# Altium PCB PCB.PcbDoc (part 1 of 2)
Units mm, origin at the board's own origin, x right, y up, seen from the top; angles counter-clockwise.
Board outline 50.2 x 86 mm, 6 copper layers (L1_Top (Sig), L2 (GND), L3 (Power), L4 (Sig), L5 (GND), L6_Bottom (Sig)), stack 1.538 mm thick; 115 components, 84 nets, 473 pads, 257 vias.
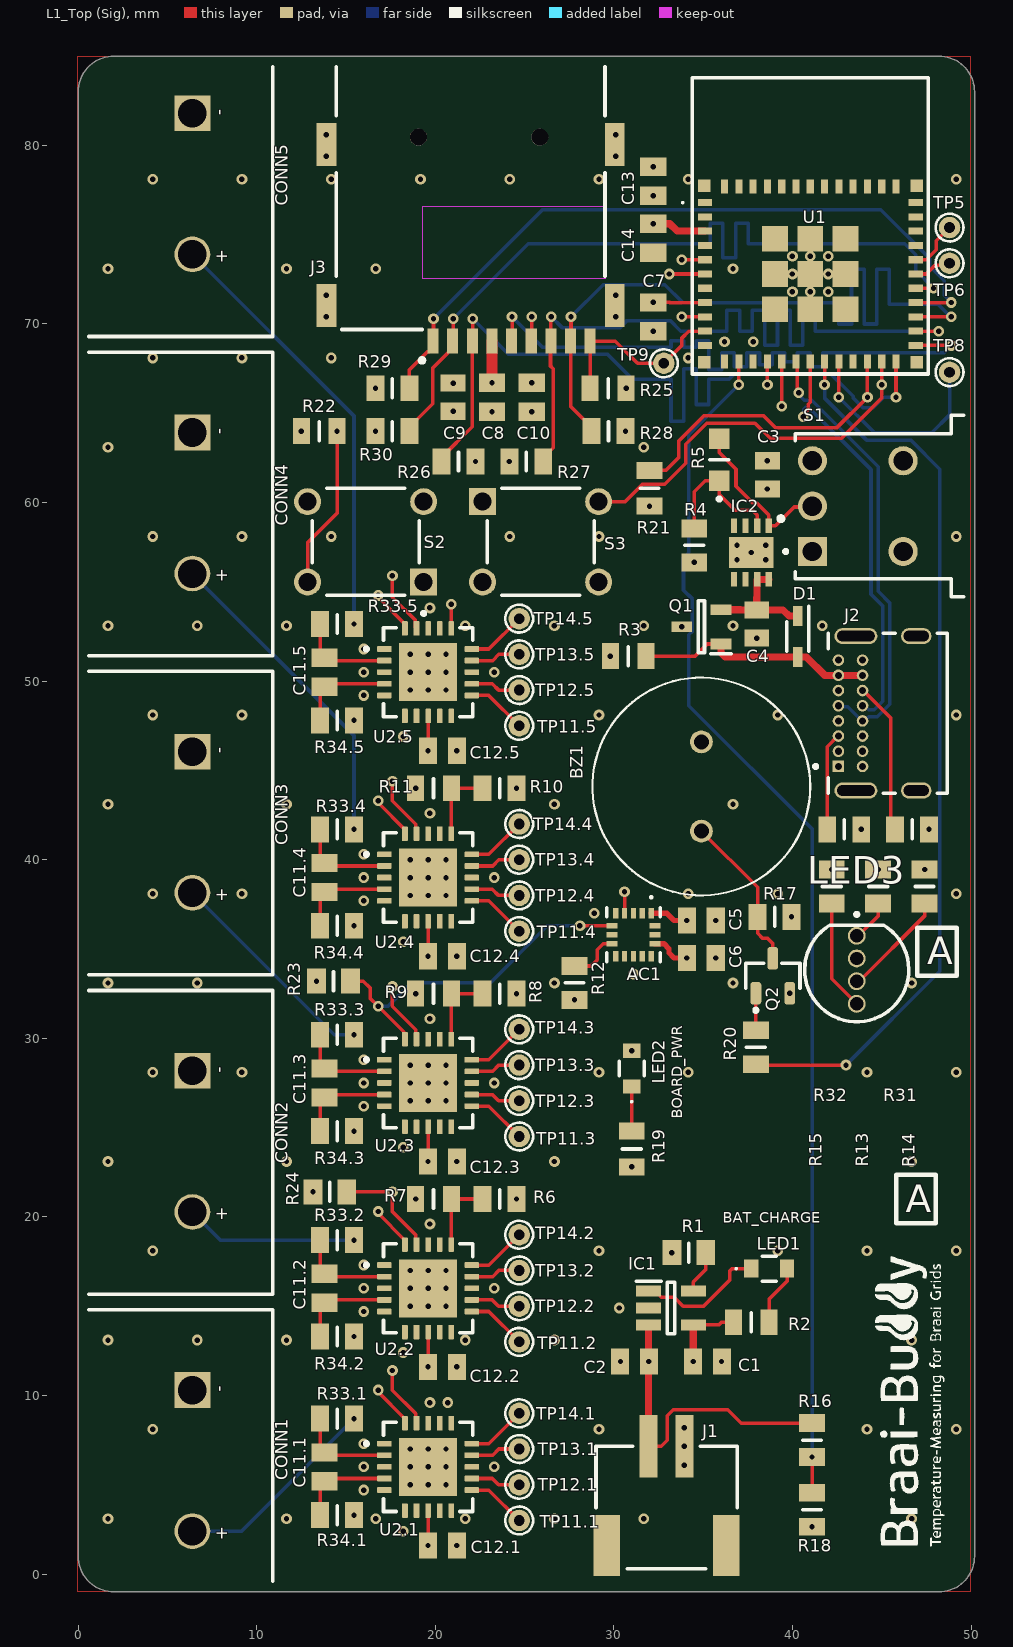
[diagram p0: L1_Top (Sig) view]
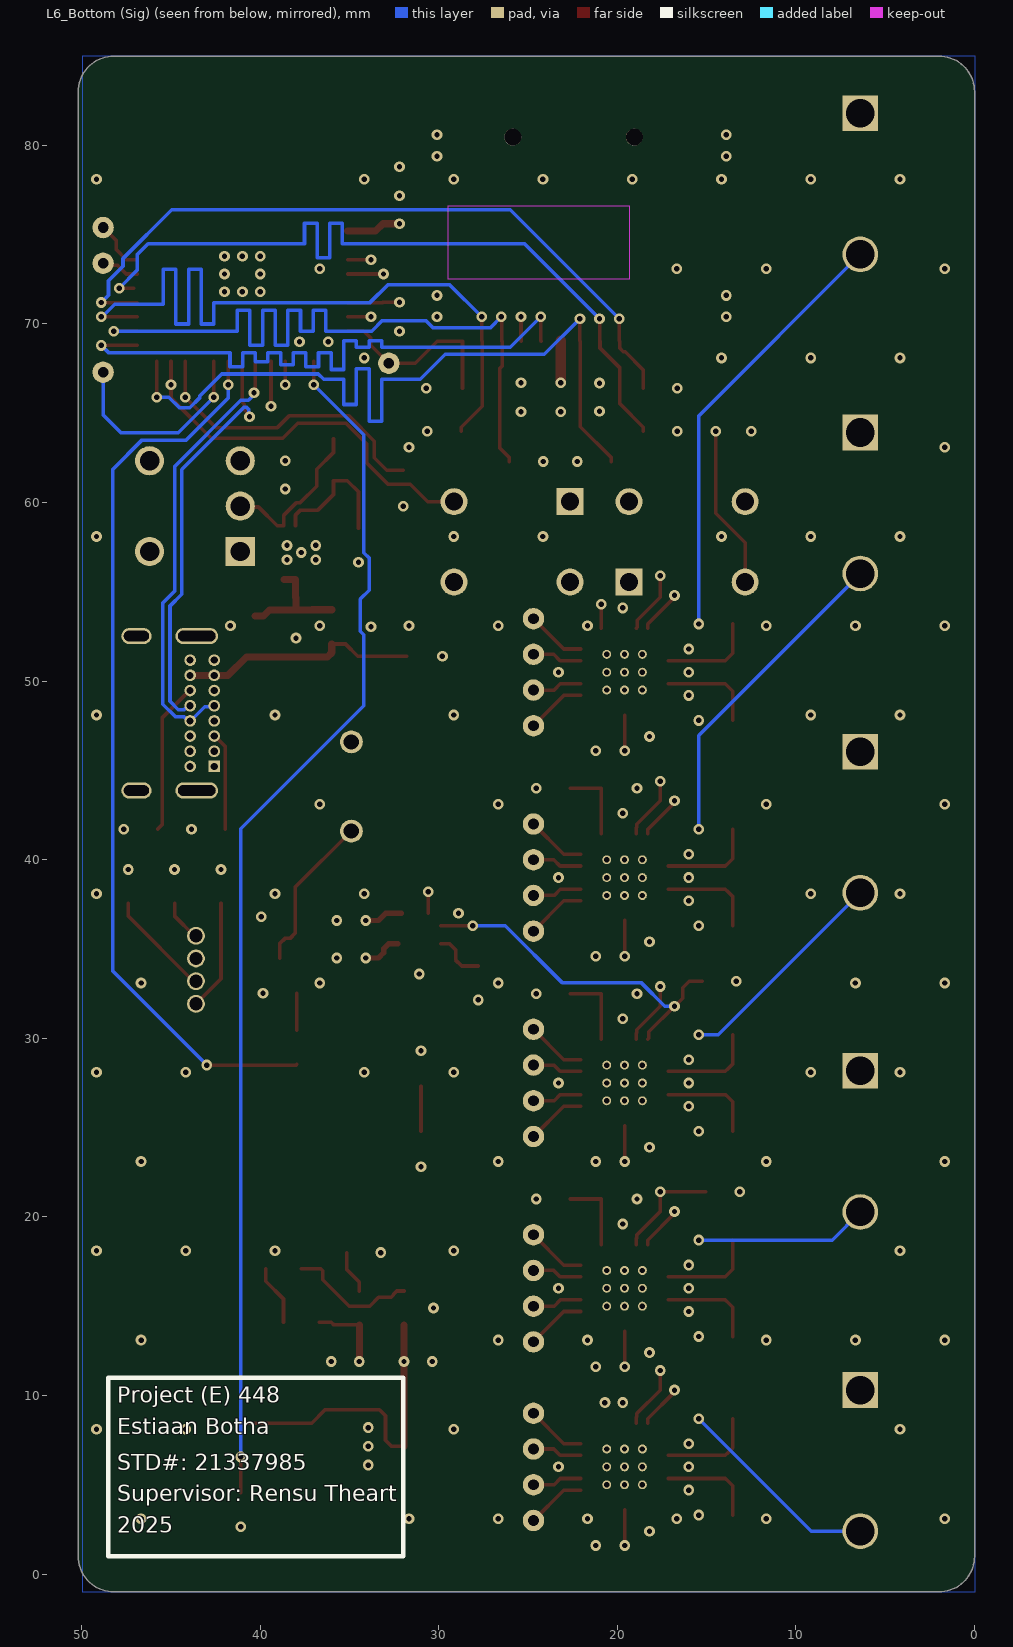
[diagram p1: L6_Bottom (Sig) view, seen from below]
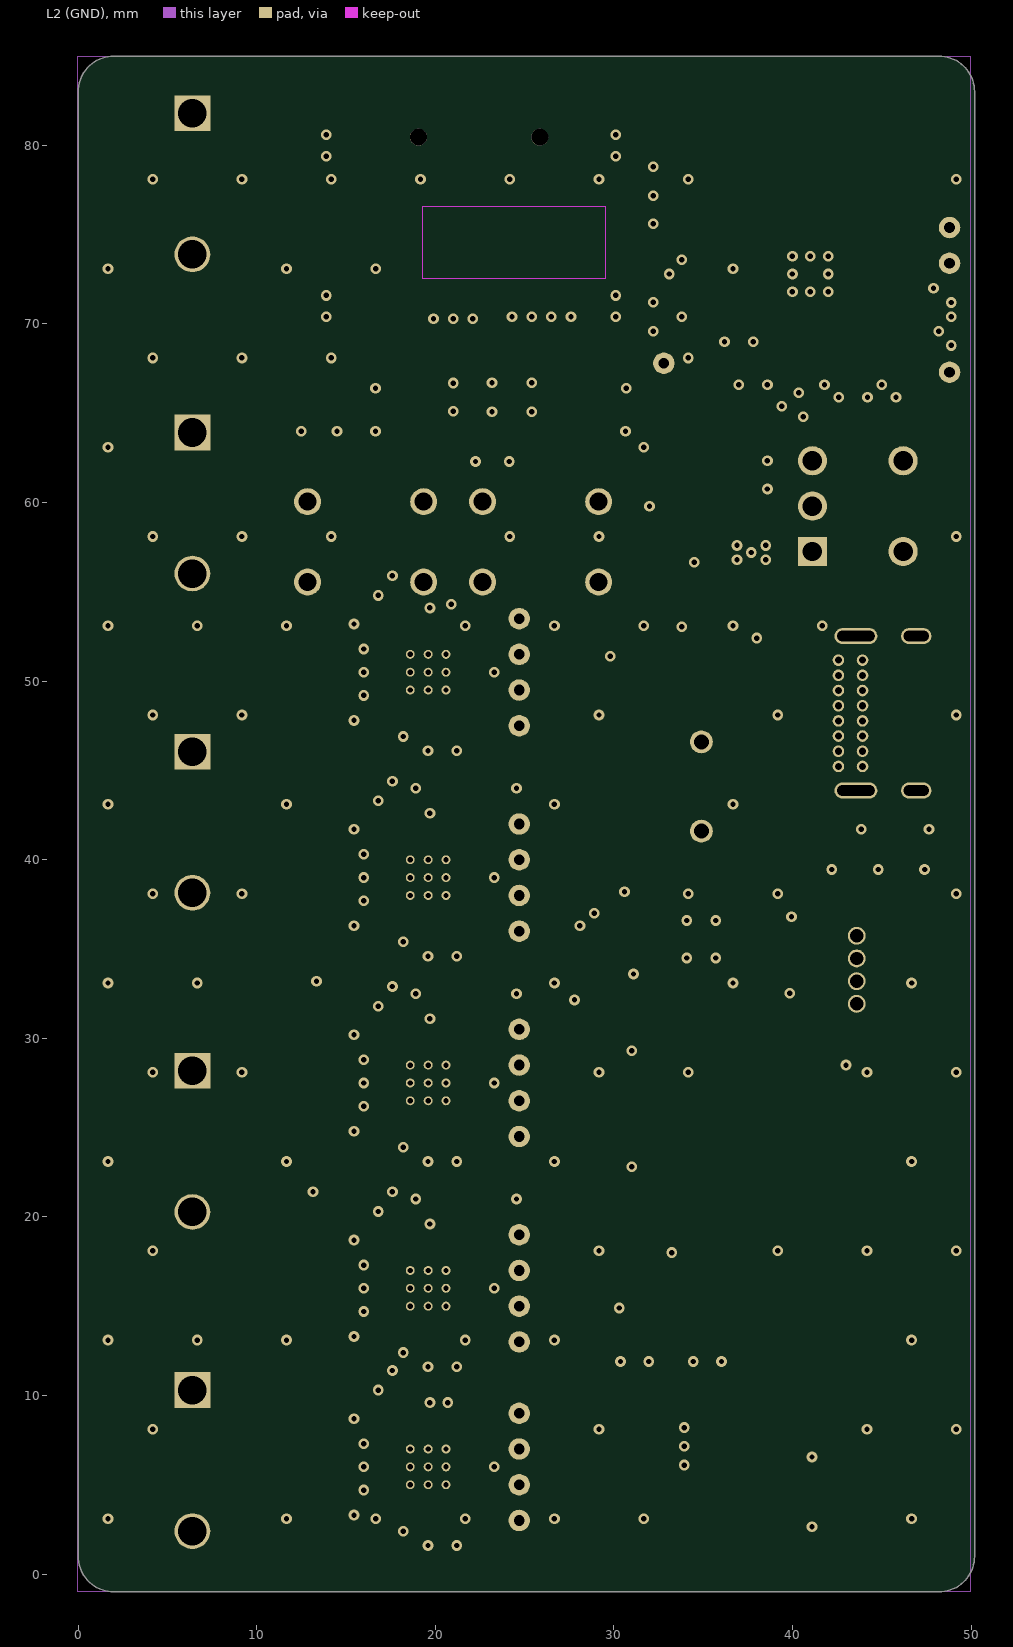
[diagram p2: L2 (GND)]
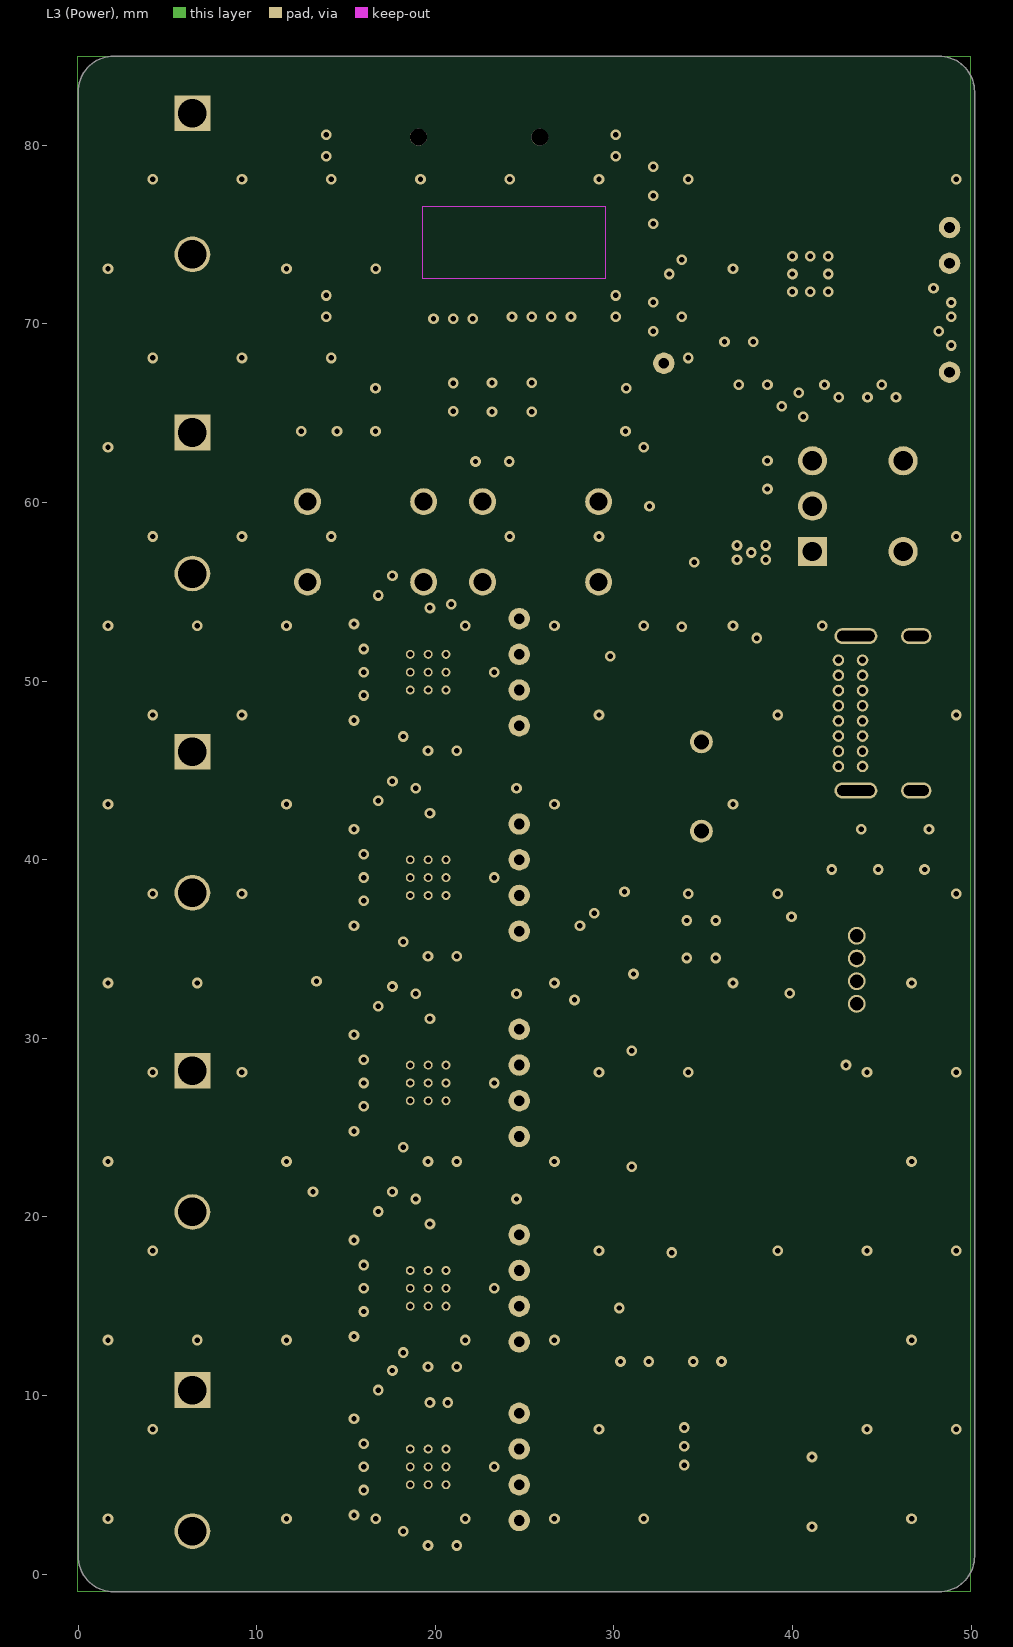
[diagram p3: L3 (Power)]
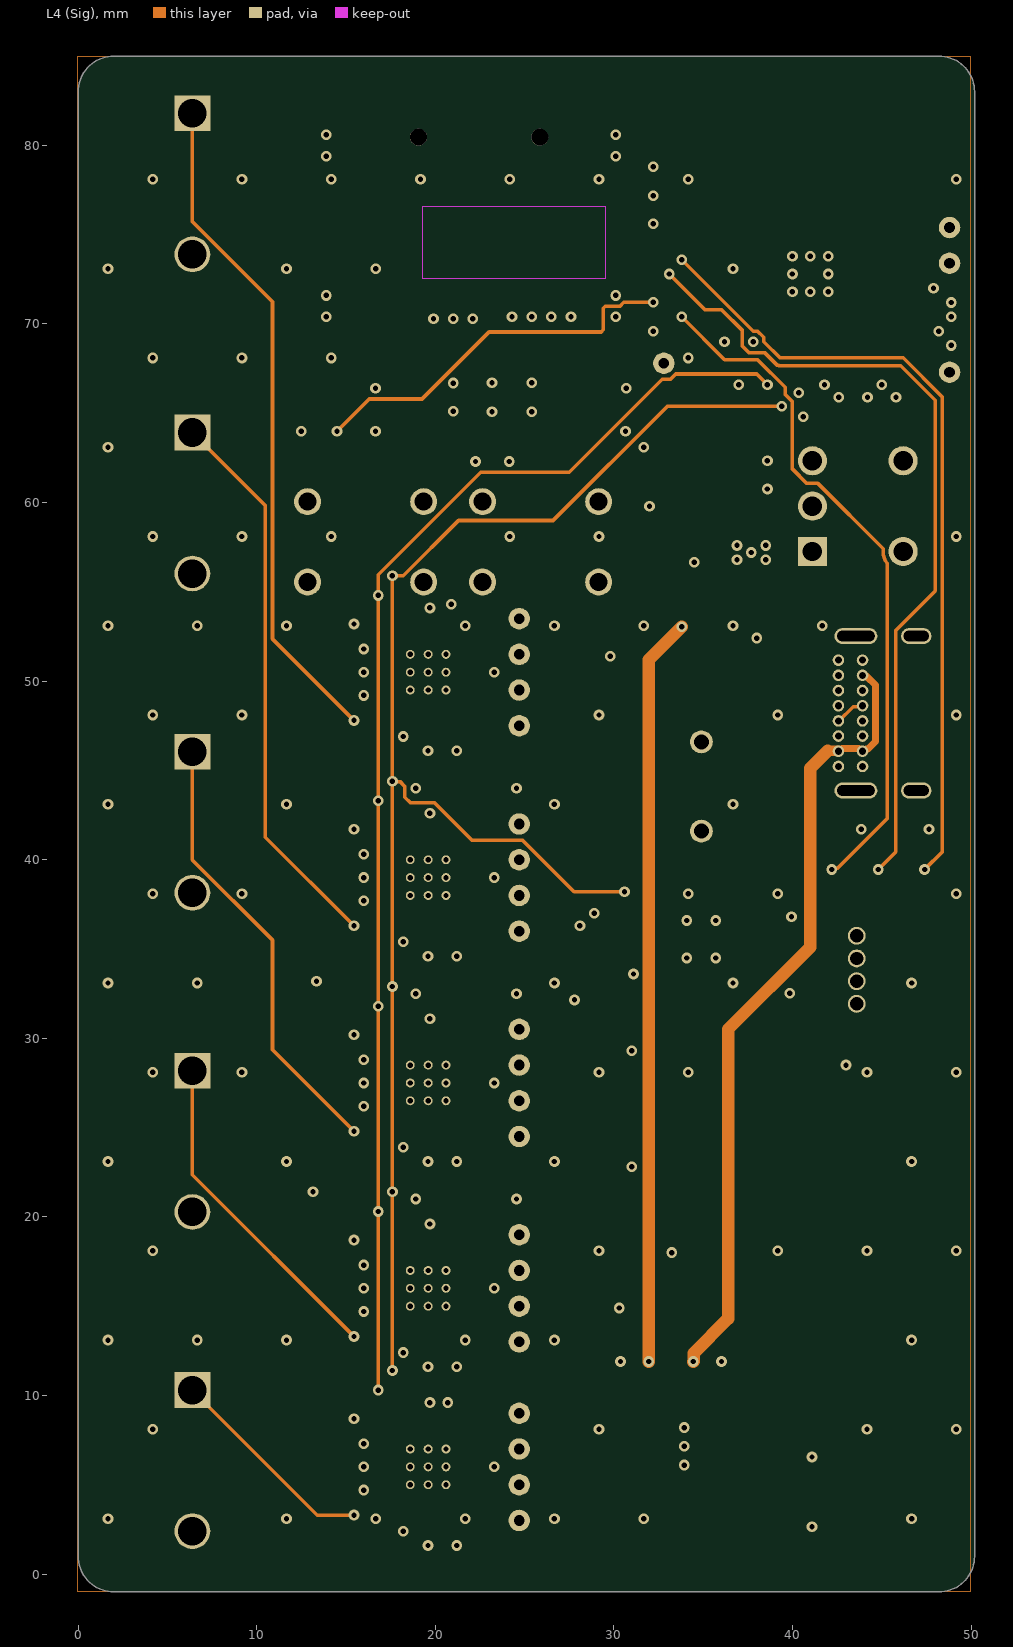
[diagram p4: L4 (Sig)]
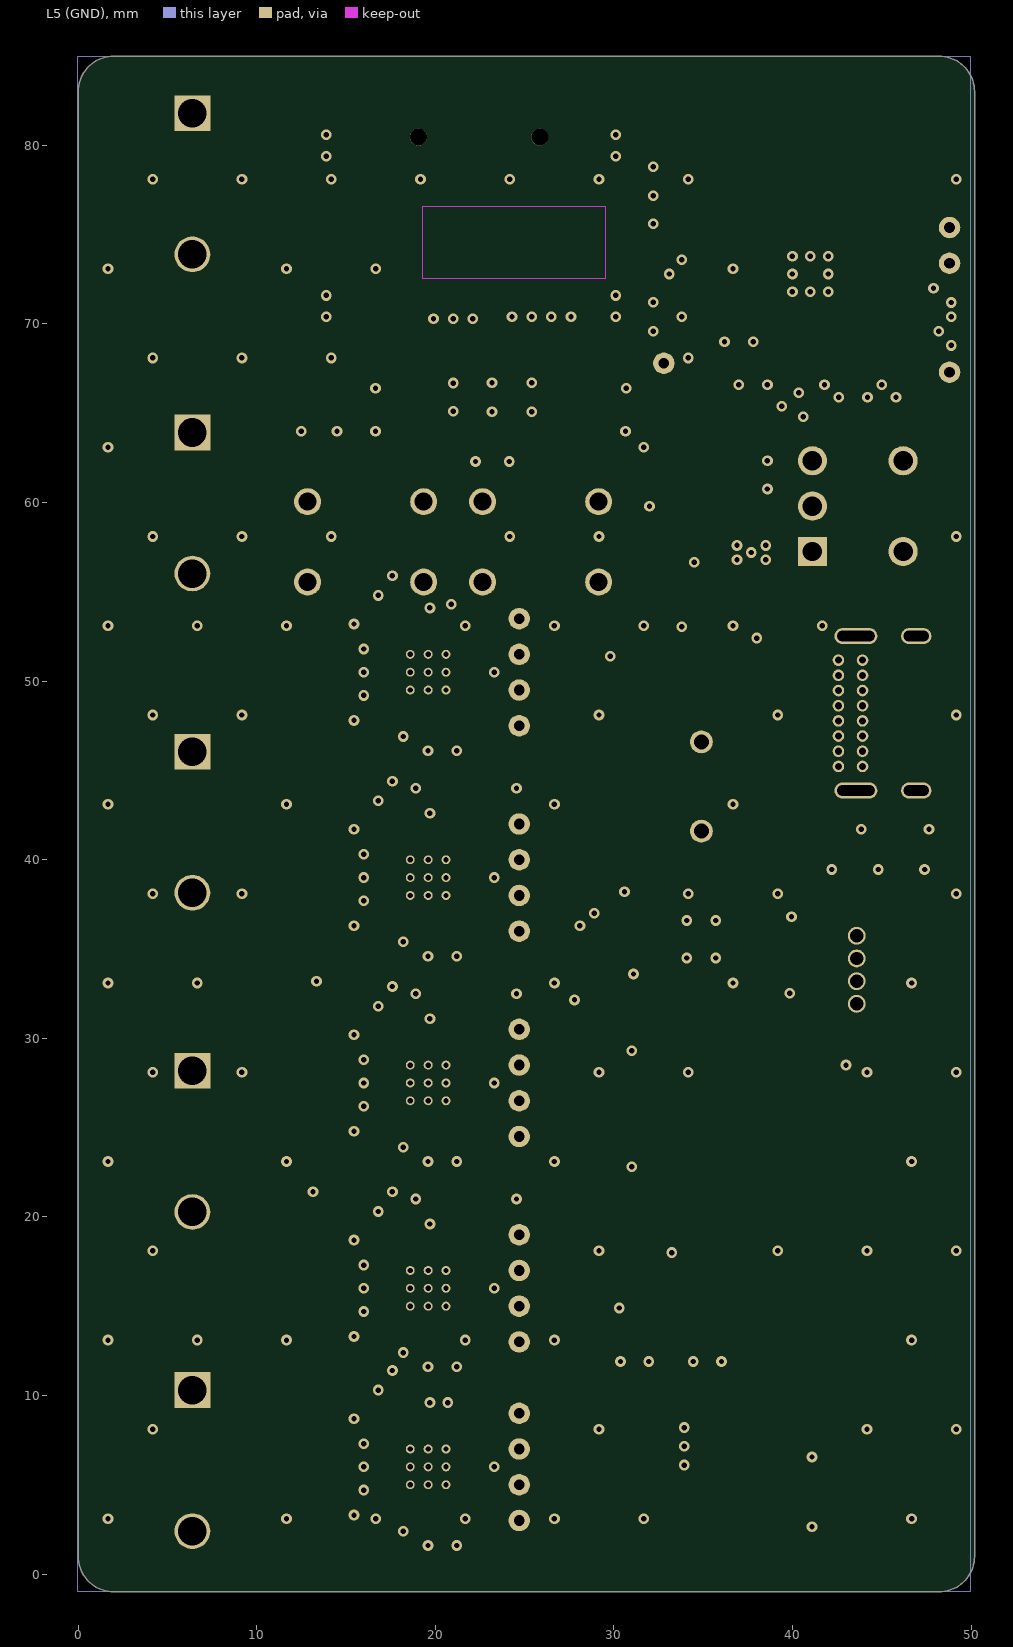
[diagram p5: L5 (GND)]
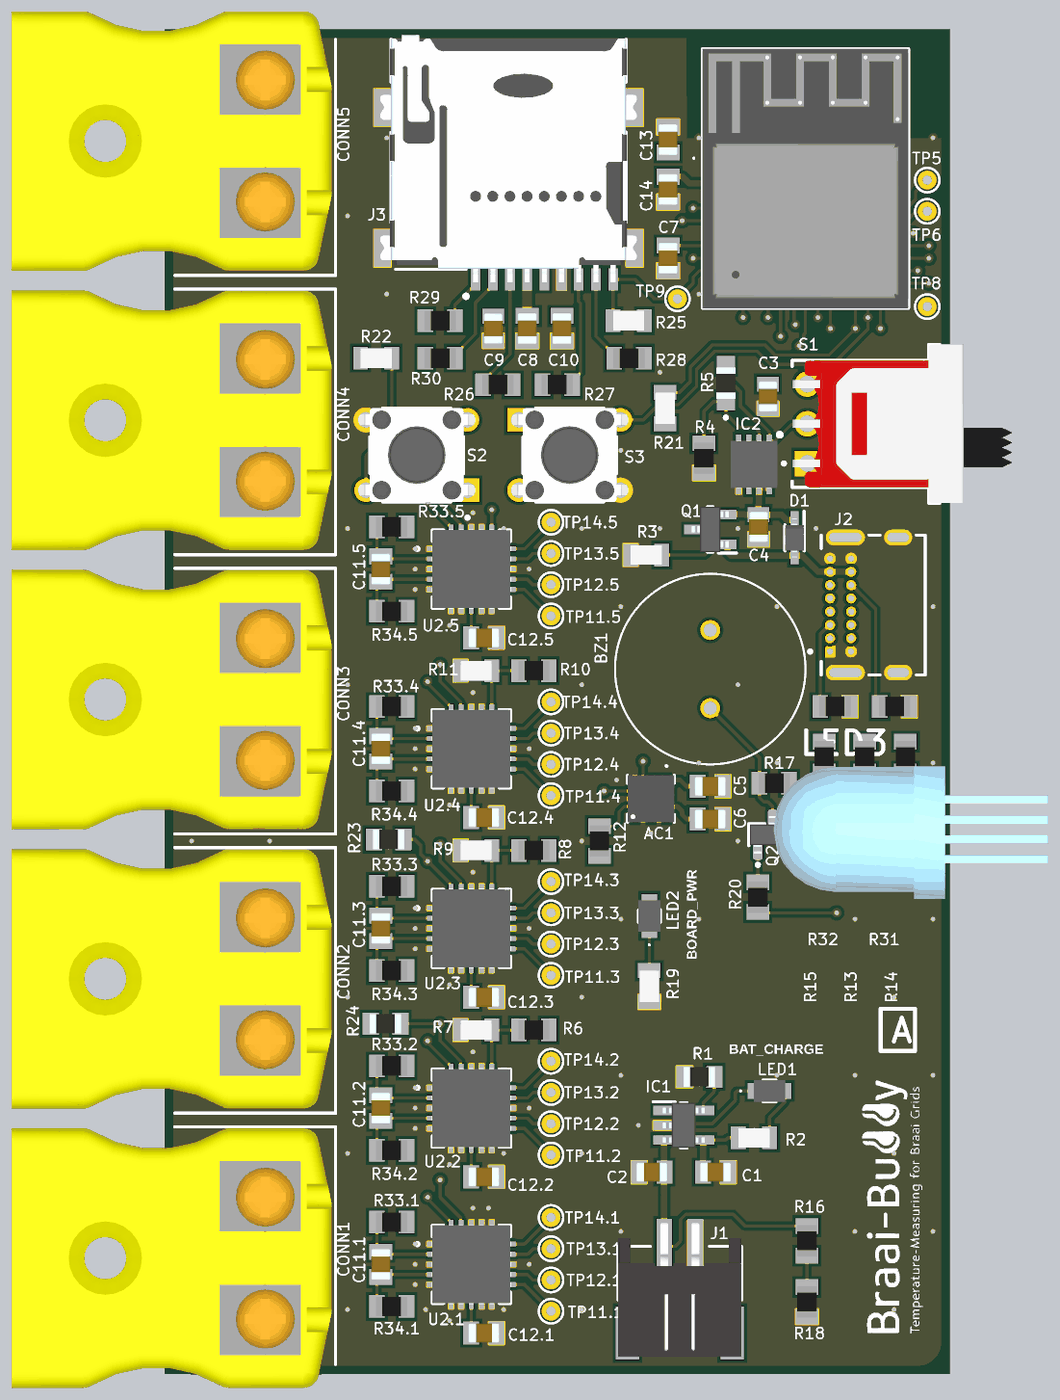
[diagram p7: 3D render of the assembled board from above, using the file's embedded part models]

## Layer stack, top to bottom
Top Solder: solder mask 0.01, Solder Resist, Dk 3.5
L1_Top (Sig): signal copper 0.035
Dielectric1: prepreg 0.0994, Prepreq 3313, Dk 4.1
L2 (GND): signal copper 0.0152
Core1: core 0.55, FR-4, Dk 4.6
L3 (Power): signal copper 0.0152
Dielectric2: prepreg 0.1088, Prepreq 2116, Dk 4.16
L4 (Sig): signal copper 0.0152
Core2: core 0.55, FR-4, Dk 4.6
L5 (GND): signal copper 0.0152
Dielectric3: prepreg 0.0994, Prepreq 3313, Dk 4.1
L6_Bottom (Sig): signal copper 0.035
Board Layer Stack Bottom Solder: solder mask 0.01, Solder Resist, Dk 3.5

## Board outline
0,1 0,82.99 0,83 cw(c2,83) 2,85 2.014,85 48.2,85 cw(c48.2,83) 50.2,83 50.2,0.99 50.2,1 cw(c48.2,1) 48.2,-1 48.206,-1 2.032,-1 2,-1 cw(c2,1)
